# KiCad board inverter.kicad_pcb (continued)
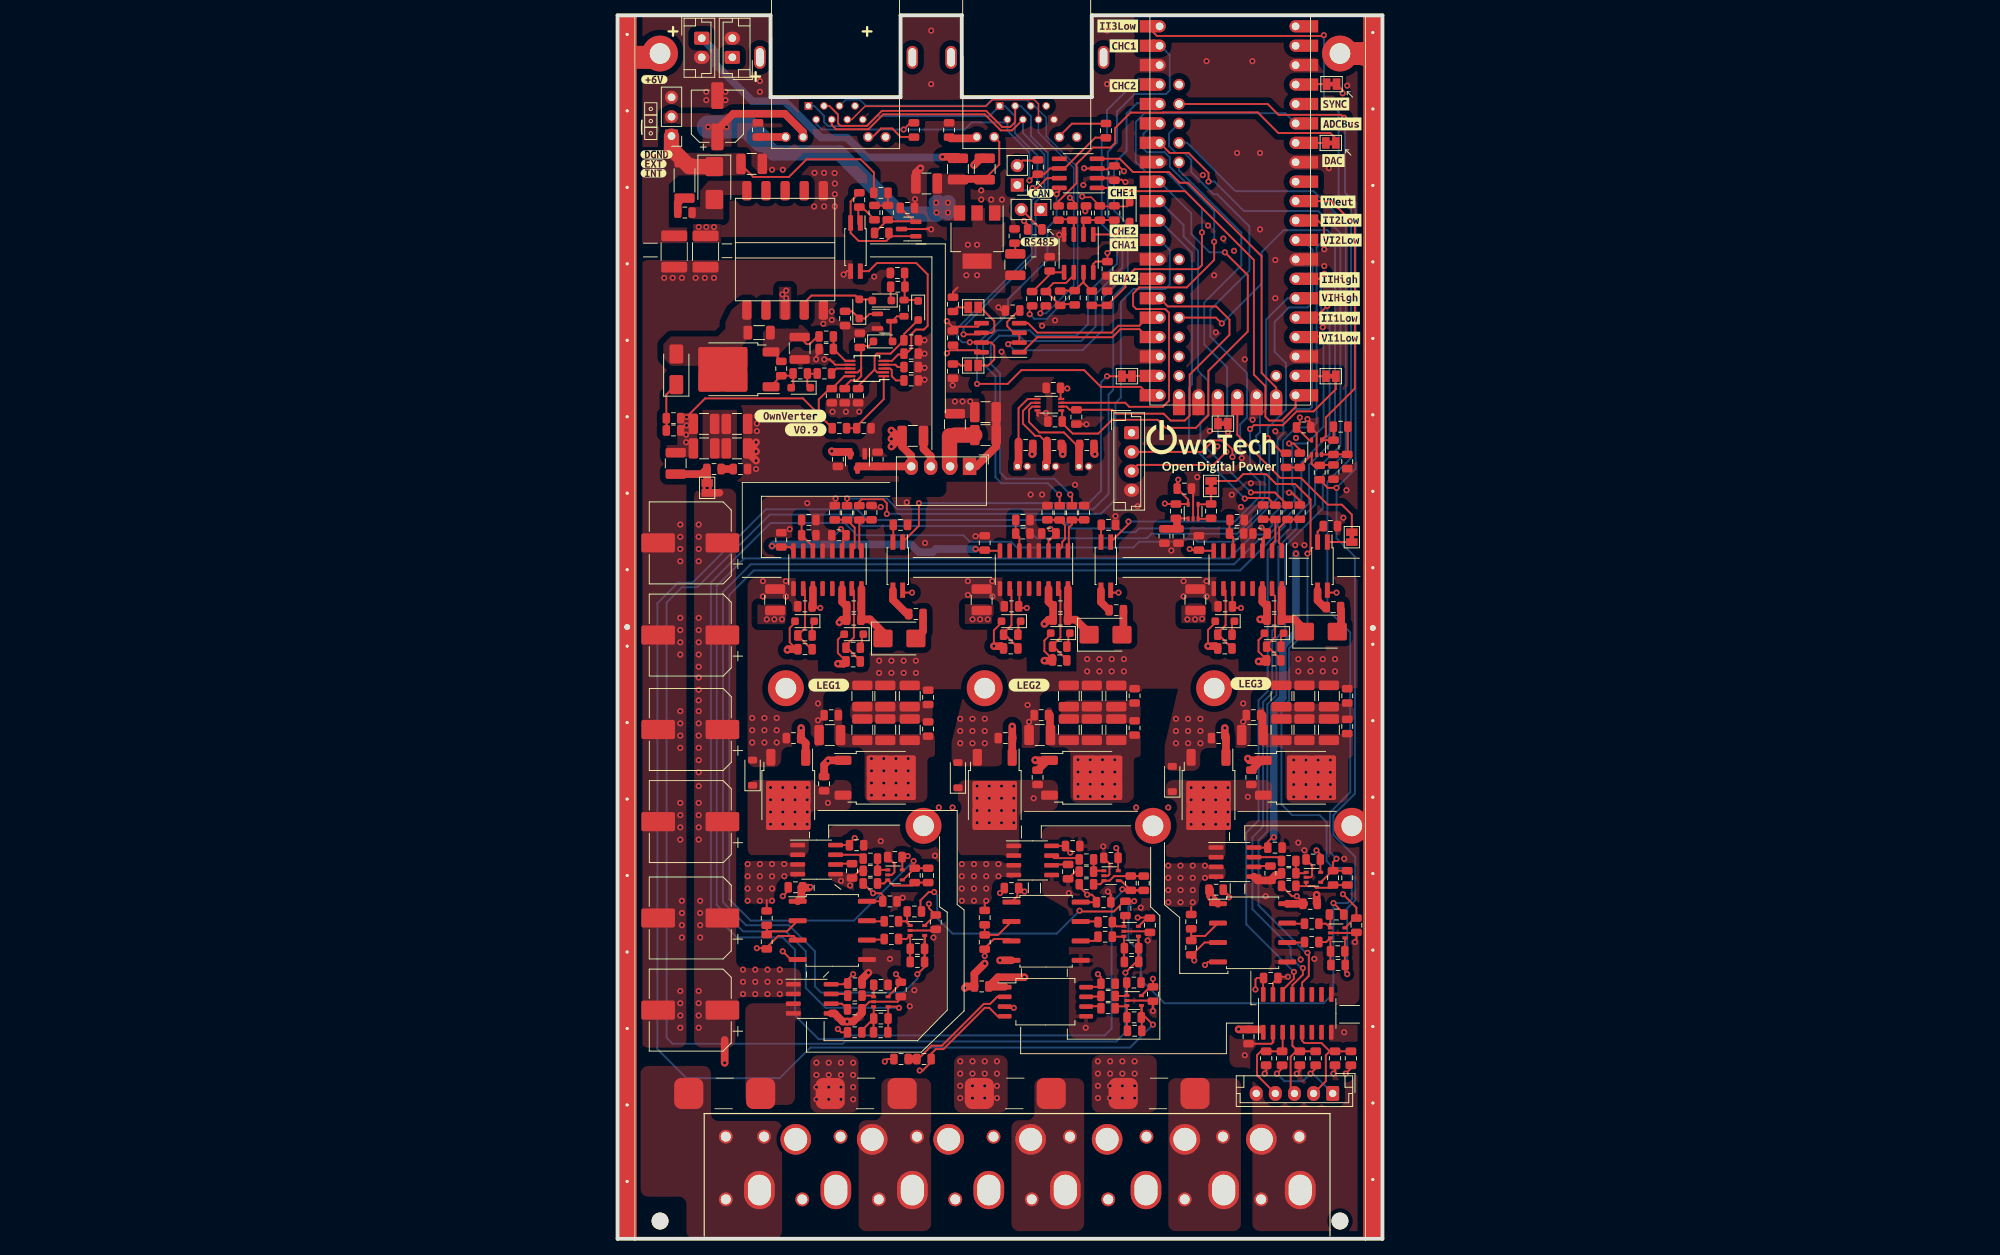
[diagram p0: board, top side]
## Copper pours and planes (outline as drawn; the poured copper is in the pictures) (continued)
Net-(C503-Pad2) on Top: 15.61,102.05 11.11,102.05 11.1,108.4 15.6,108.4
Net-(C622-Pad2) on Top: 30.4,67.6 30.4,70.31 41.2,70.31 41.2,67.6
Net-(C722-Pad2) on Top: 57.97,67.42 57.97,70.42 68.38,70.42 68.4,67.4
Net-(C822-Pad2) on Top: 85.53,67.38 85.53,69.97 96.32,69.97 96.32,67.38
Net-(D507-A) on Top: 16.75,136.5 13.85,136.5 13.85,134.7 13.85,133.31 9.59,133.35 9.6,134.96 10.8,134.96 10.8,137.06 11.9,138.36 16.75,138.36
Net-(F201-Pad2) on Top: 16.7,30.8 16.7,17.5 23.2,17.5 23.2,28.7 24,28.7 24,30.8
Net-(F601-Pad1) on Top: 16.6,43.81 20.75,43.81 20.75,47.01 24.5,47.01 24.5,49.41 16.6,49.41
Net-(F601-Pad1) on Top: 25.2,24 31.5,24 31.5,16.5 25.2,16.5
Net-(F601-Pad1) on In2.Cu, In3.Cu: 16.3,37 22.5,37 22.5,31.1 22,28.4 22,17.5 33.5,17.5 33.5,24 38,24 38,50 16.3,50
Net-(F701-Pad1) on Top: 44.5,43.72 48.95,43.72 48.95,47.01 52.7,47 52.7,49.22 51.65,49.22 50.6,49.41 44.5,49.41
Net-(F701-Pad1) on Top: 44,24 51,24 51,16.5 44,16.5
Net-(F701-Pad1) on In2.Cu, In3.Cu: 39,50 39,24 41,24 41,17.5 57,17.5 57,50
Net-(F801-Pad1) on Top: 71.62,43.4 76.03,43.4 76.03,46.76 79.53,46.76 79.53,48.97 77.2,48.97 77,49.16 71.6,49.06
Net-(F801-Pad1) on Top: 62,24 70.5,24 70.5,16.5 62,16.5
Net-(F801-Pad1) on In2.Cu, In3.Cu: 60,17.5 77.5,17.5 77.5,26 77.6,35.5 77.6,41.5 77.5,50 60,50

## Text on the board
F.Silkscreen: +
